# Altium PCB MC3.PcbDoc (part 2 of 4) (continued)
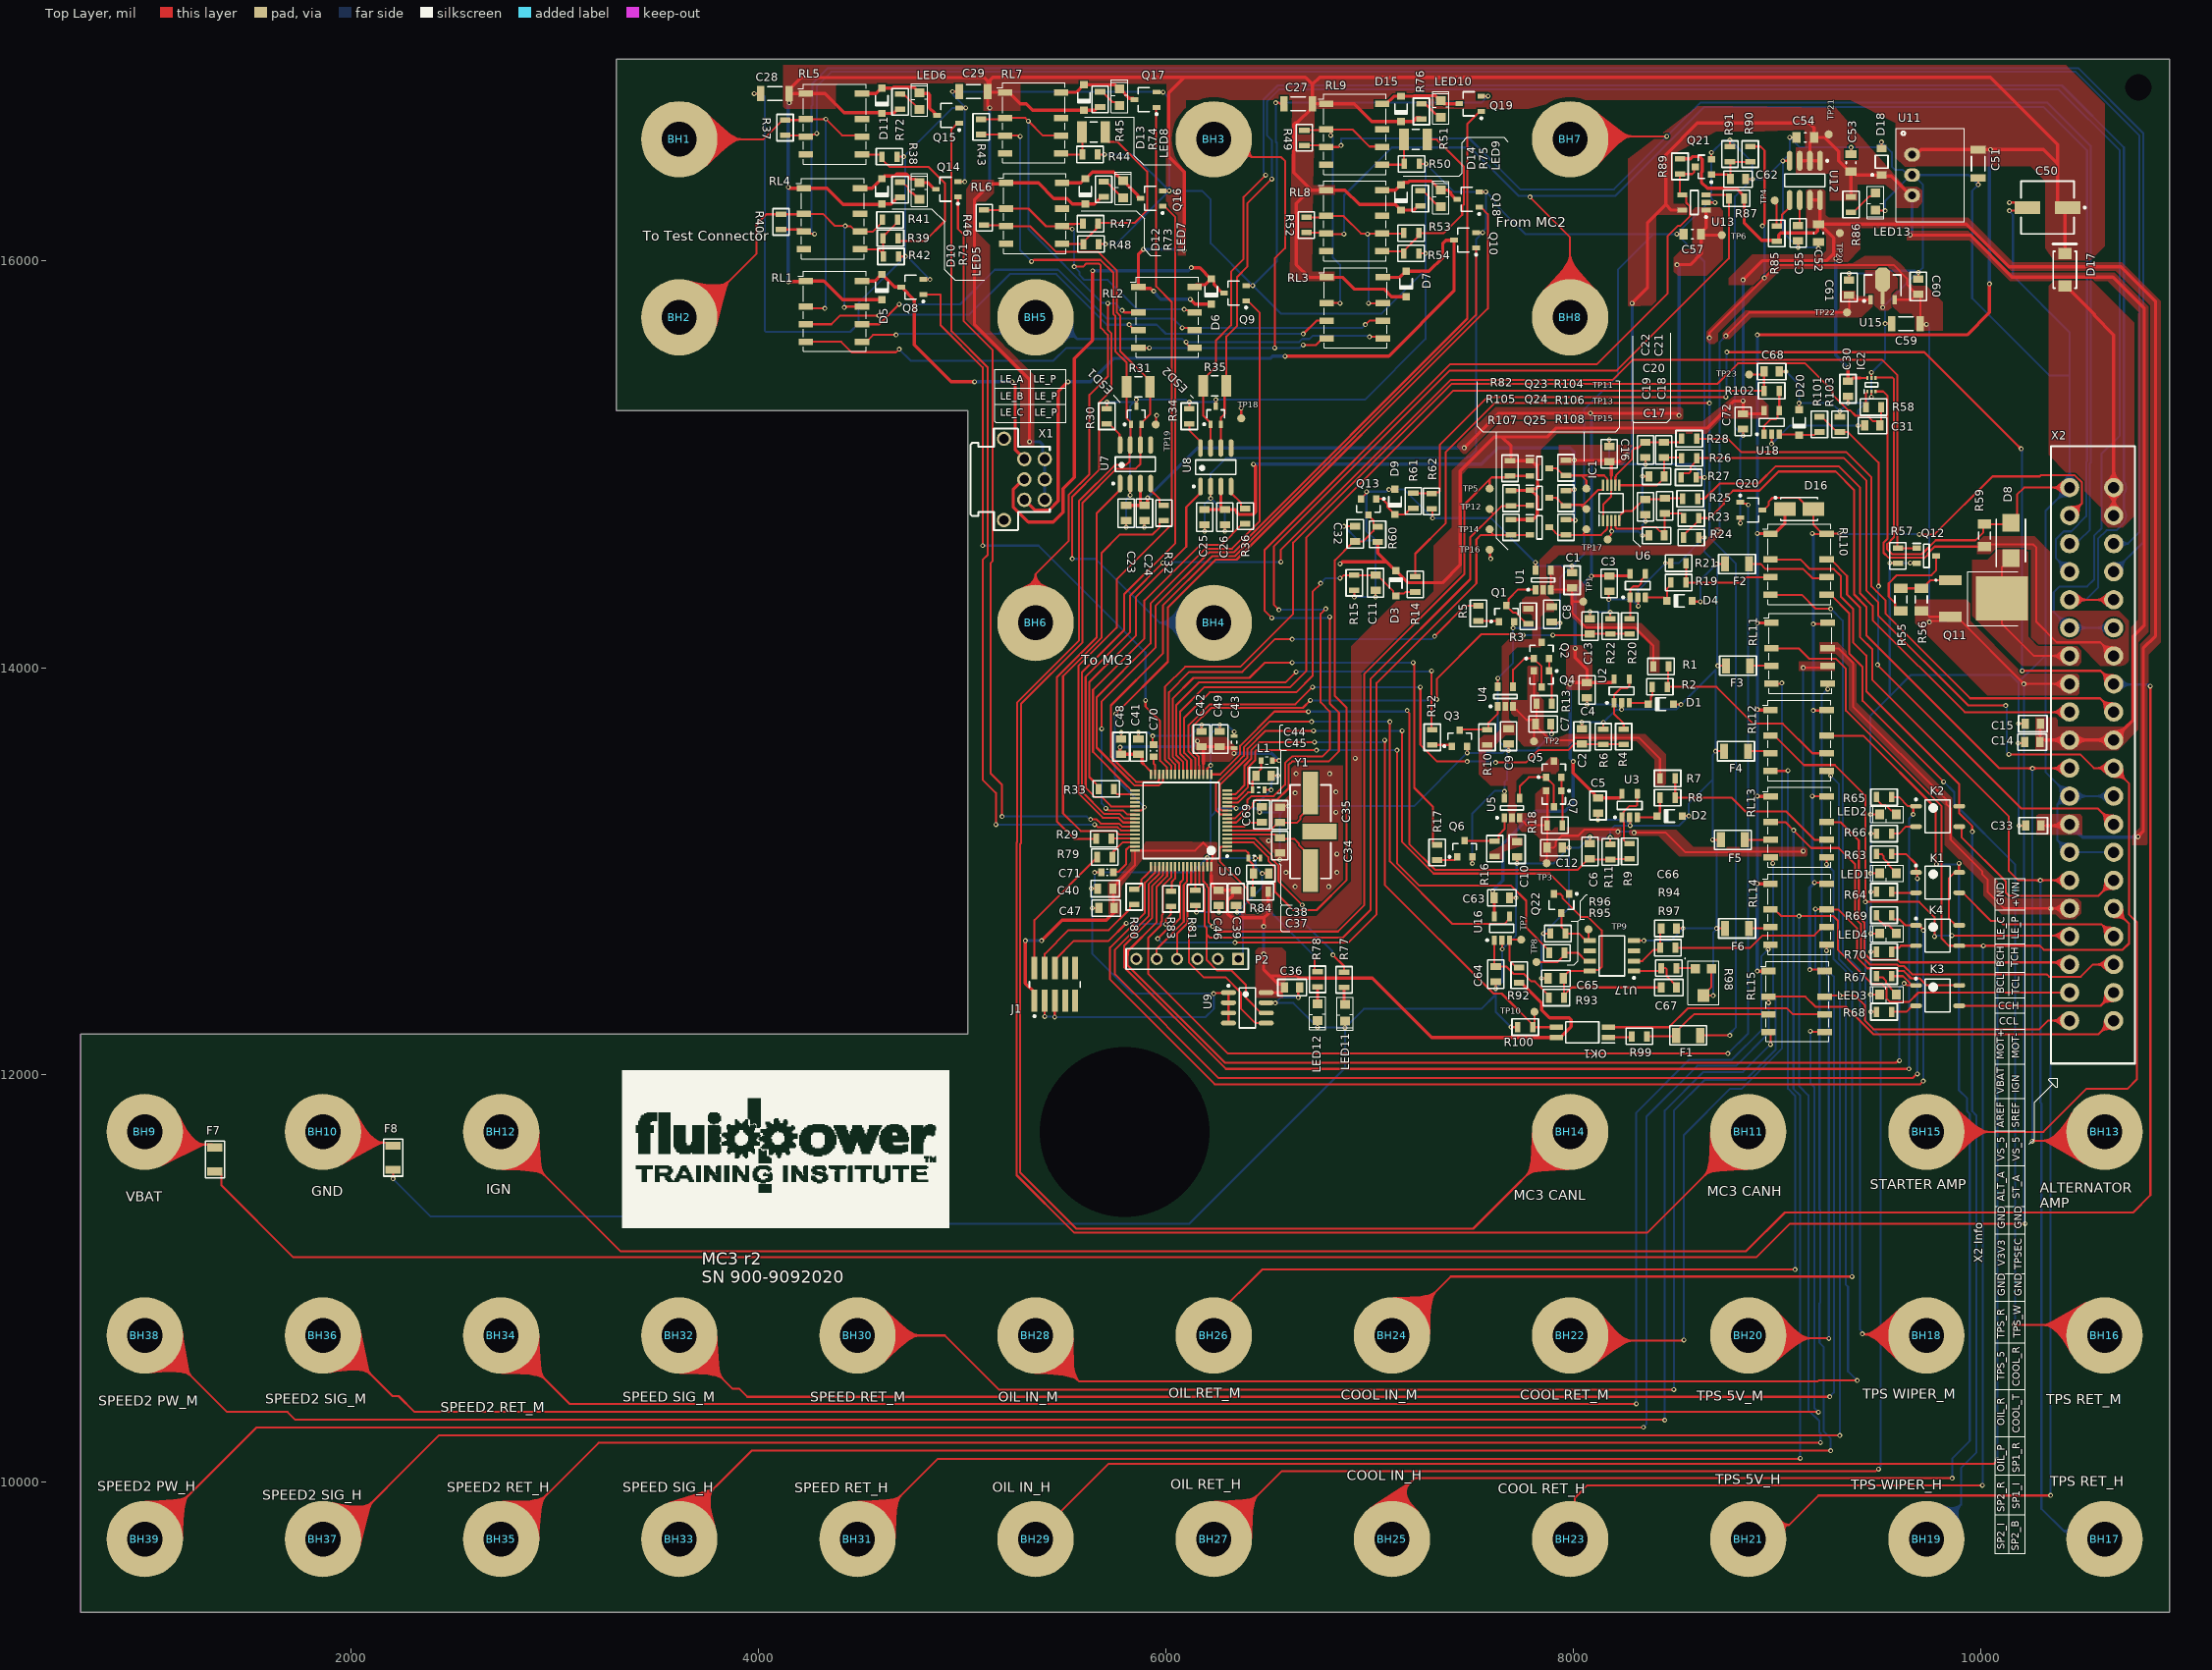
[diagram p0: Top Layer view]
## Part data (continued)
TP1 TP2 TP3 TP4 TP5 TP6 TP7 TP8 TP9 TP10 TP11 TP12 TP13 TP14 TP15 TP16 TP17 TP18 TP19 TP20 TP21 TP22 TP23: library part TestPoint_SMD_1x1, "SMD Test Point"
U1 U4 U5: "ANALOG DEVICES - ADR395AUJZ-REEL7 - VOLTAGE REF, SERIES, 5V, TSOT-5", Case/Package=TSOT, Manufacturer="Analog Devices", Max Input Voltage=18V, Max Operating Temperature=125°C, Max Output Current=5mA, Max Output Voltage=5V, Min Operating Temperature=-40°C, Operating Supply Current=120uA, Supplier Part Number 1=584-ADR395AUJZ-R7, Temperature Coefficient=25ppm/°C, Tolerance=0.12%, Category="Voltage References", ComponentLink1Description=https://datasheet.ciiva.com/2008/adr391-392-395-2008665.pdf?src-supplier=Digi-Key, ComponentLink1URL=https://datasheet.ciiva.com/2008/adr391-392-395-2008665.pdf?src-supplier=Digi-Key, ComponentLink2Description=https://datasheet.ciiva.com/3237/adr391-392-395-3237061.pdf?src-supplier=Avnet, ComponentLink2URL=https://datasheet.ciiva.com/3237/adr391-392-395-3237061.pdf?src-supplier=Avnet, ComponentLink3Description=https://datasheet.ciiva.com/17218/adr391-392-395-17218677.pdf?src-supplier=Avnet+Europe, ComponentLink3URL=https://datasheet.ciiva.com/17218/adr391-392-395-17218677.pdf?src-supplier=Avnet+Europe, ComponentLink4Description=https://datasheet.ciiva.com/2008/adr391-392-395-2008663.pdf?src-supplier=Digi-Key, ComponentLink4URL=https://datasheet.ciiva.com/2008/adr391-392-395-2008663.pdf?src-supplier=Digi-Key, ComponentLink5Description=https://datasheet.ciiva.com/2008/adr391-392-395-2008664.pdf?src-supplier=Digi-Key, ComponentLink5URL=https://datasheet.ciiva.com/2008/adr391-392-395-2008664.pdf?src-supplier=Digi-Key, Lead Free="Contains Lead", Manufacturer Part Number=ADR395AUJZ-REEL7, Min Output Voltage=5V, Number of Pins=5, Output Current=5mA, Output Type=Fixed, Output Voltage=5V, Packaging="Tape and Reel", Pricing 1="1=2.26000, 10=2.03000, 25=1.92000, 100=1.54000, 250=1.34000, 500=1.30000 (USD)", Radiation Hardening=No, REACH SVHC="No SVHC", Reference Type=Series, Reference Voltage=5V, RoHS=Yes, Stock 1=4513, Supplier 1=Mouser
U2 U3 U6 U18: "Op Amp Single Low Power Amplifier R-R I/O ±2.75V/5.5V Automotive 5-Pin SOT-23 T/R", Case/Package=SOT-23-5, Input Bias Current=5pA, Input Offset Voltage (Vos)=500uV, Manufacturer="Texas Instruments", Max Operating Temperature=125°C, Min Operating Temperature=-40°C, Operating Supply Current=400uA, Output Current per Channel=50mA, Supplier Part Number 1=595-OPA316QDBVRQ1, Category="Amplifiers - Op Amps, Buffer, Instrumentation", ComponentLink1Description=http://www.ti.com/lit/ds/symlink/opa316-q1.pdf?src-supplier=Digi-Key, ComponentLink1URL=http://www.ti.com/lit/ds/symlink/opa316-q1.pdf?src-supplier=Digi-Key, Gain Bandwidth Product=10MHz, Manufacturer Part Number=OPA316QDBVRQ1, Mount="Surface Mount", Number of Channels=1, Number of Circuits=1, Packaging="Tape and Reel", Pricing 1="1=1.37000, 10=1.16000, 100=0.89100, 250=0.78700, 500=0.74600, 1000=0.58000 (USD)", RoHS=No, Slew Rate=6V/µs, Stock 1=4457, Supplier 1=Mouser
U7 U8: "IC TRANSCEIVER CAN HI-SPD 8-SOIC", Case/Package=SOIC, Manufacturer=Microchip, Max Operating Temperature=85°C, Max Supply Current=75mA, Max Supply Voltage=5.5V, Min Operating Temperature=-40°C, Min Supply Voltage=4.5V, Operating Supply Voltage=5V, Package Quantity=100, Supplier Part Number 1=579-MCP2551-I/SN, Category="Interface ICs", ComponentLink1Description=https://datasheet.ciiva.com/8084/jp011797-8084592.pdf?src-supplier=Avnet, ComponentLink1URL=https://datasheet.ciiva.com/8084/jp011797-8084592.pdf?src-supplier=Avnet, ComponentLink2Description=https://datasheet.ciiva.com/27056/2040583-27056423.pdf?src-supplier=Jameco, ComponentLink2URL=https://datasheet.ciiva.com/27056/2040583-27056423.pdf?src-supplier=Jameco, ComponentLink3Description=https://datasheet.ciiva.com/1495/21667f-1495089.pdf?src-supplier=Element14, ComponentLink3URL=https://datasheet.ciiva.com/1495/21667f-1495089.pdf?src-supplier=Element14, ComponentLink4Description=https://datasheet.ciiva.com/1700/21667f-1700023.pdf?src-supplier=Digi-Key, ComponentLink4URL=https://datasheet.ciiva.com/1700/21667f-1700023.pdf?src-supplier=Digi-Key, ComponentLink5Description=https://datasheet.ciiva.com/14152/eb644223-644224-e-14152540.pdf?src-supplier=Distrelec, ComponentLink5URL=https://datasheet.ciiva.com/14152/eb644223-644224-e-14152540.pdf?src-supplier=Distrelec, ComponentLink6Description=https://datasheet.ciiva.com/17649/jp011797-17649039.pdf?src-supplier=Avnet+Europe, ComponentLink6URL=https://datasheet.ciiva.com/17649/jp011797-17649039.pdf?src-supplier=Avnet+Europe, Contact Plating=Tin,Matte, Data Rate=1Mbps, Height=1.25mm, Interface=CAN, Lead Free="Lead Free", Length=4.9mm, Logic Function=Transceiver, Manufacturer Part Number=MCP2551-I/SN, Mount="Surface Mount", Nominal Supply Current=75mA, Number of Drivers=1, Number of Pins=8, Number of Receive Buffers=1, Number of Receivers=1, Number of Terminals=8, Number of Transceivers=1, Number of Transmit Buffers=1, Packaging=Rail/Tube, Pricing 1="1=1.02000, 10=1.02000, 25=0.85000, 100=0.82500, 250=0.82500, 500=0.82500 (USD)", Radiation Hardening=No, REACH SVHC="No SVHC", RoHS=Yes, Slew Rate=8.5V/µs, Stock 1=27114, Supplier 1=Mouser, Width=3.9mm
U9: "MICROCHIP - 24LC256-I/SN - EEPROM, 256 Kbit, 32K x 8 bit, Seriell I2C (2-Draht), 400 kHz, SOIC, 8 Pin(s)", Case/Package=SOIC, Frequency=400kHz, Manufacturer=Microchip, Max Operating Temperature=85°C, Max Supply Voltage=5.5V, Min Operating Temperature=-40°C, Min Supply Voltage=2.5V, Nominal Supply Current=3mA, Package Quantity=100, Supplier Part Number 1=579-24LC256-I/SN, Voltage=5V, Access Time=900ns, Category=EEPROM, ComponentLink1Description=https://datasheet.ciiva.com/1155/1688094-1155208.pdf?src-supplier=Element14, ComponentLink1URL=https://datasheet.ciiva.com/1155/1688094-1155208.pdf?src-supplier=Element14, ComponentLink2Description=https://datasheet.ciiva.com/1155/1688094-1155209.pdf?src-supplier=Element14, ComponentLink2URL=https://datasheet.ciiva.com/1155/1688094-1155209.pdf?src-supplier=Element14, ComponentLink3Description=https://datasheet.ciiva.com/16203/filehandler-aspxddocname-en011849-16203855.pdf?src-supplier=Future+Electronics, ComponentLink3URL=https://datasheet.ciiva.com/16203/filehandler-aspxddocname-en011849-16203855.pdf?src-supplier=Future+Electronics, ComponentLink4Description=https://datasheet.ciiva.com/29294/150247-da-01-en-eeprom-24lc256-i-sn-soic8-mcp-29294965.pdf?src-supplier=Conrad, ComponentLink4URL=https://datasheet.ciiva.com/29294/150247-da-01-en-eeprom-24lc256-i-sn-soic8-mcp-29294965.pdf?src-supplier=Conrad, Density=256Kb, Height=1.5mm, Interface=I2C,Serial,2-Wire, Lead Free="Lead Free", Length=4.9mm, Manufacturer Part Number=24LC256-I/SN, Max Frequency=400kHz, Memory Size=256Kb, Memory Type=EEPROM, Mount="Surface Mount", Number of Pins=8, Packaging=Rail/Tube, Pricing 1="1=0.81000, 10=0.81000, 25=0.78000, 100=0.76300, 250=0.76300, 500=0.76300 (USD)", Radiation Hardening=No, REACH SVHC="No SVHC", RoHS=Yes, Stock 1=4028, Supplier 1=Mouser, Width=3.9mm
U10: "ARM Cortex-M4 32-bit MCU+FPU, 210 DMIPS, 1024 kB Flash, 192 kB Internal RAM, 51 I/Os, 64-pin LQFP, -40 to 85 degC, Tray", I/Os (High Current)=51, Manufacturer=STMicroelectronics, Operating Frequency(F) (Processor speed) (MHz)=168, Supplier Part Number 1=511-STM32F405RGT6, Supply Voltage(Vcc) max (V)=3.6, Supply Voltage(Vcc) min (V)=1.8, ComponentLink1Description="Manufacturer URL", ComponentLink1URL=http://www.st.com/web/en/home.html, ComponentLink2Description=Datasheet, ComponentLink2URL=http://www.st.com/st-web-ui/static/active/en/resource/technical/document/datasheet/DM00037051.pdf, ComponentLink3Description="Package Specification", ComponentLink3URL=http://www.st.com/st-web-ui/static/active/en/resource/technical/document/datasheet/DM00037051.pdf, Core="ARM Cortex-M4", D/A Converter=2x12-bit, DatasheetVersion="Rev. 4", FLASH Size (Prog) (kB)=1024, Internal RAM Size (kB)=192, Mounting Technology="Surface Mount", PackageDescription="64-Pin Low Profile Quad Flat Package, 10 x 10 mm Body, 0.5 mm Pitch", PackageReference=LQFP64, PackageVersion="Rev. 4, 06/2013", Packing=Tray, PartNumber=STM32F405RGT6, Supplier 1=Mouser
U11: "DC DC CONVERTER 5V 5W", Case/Package=SIP, Current - Output 1=1A, Manufacturer=Recom, Max Input Voltage=42V, Max Operating Temperature=85°C, Max Output Power=5W, Max Output Voltage=5V, Min Input Voltage=8V, Min Operating Temperature=-40°C, Package Quantity=42, Supplier Part Number 1=919-R-78C5.0-1.0, Category="Board Mount Modules", ComponentLink1Description=https://datasheet.ciiva.com/2374/r-78cxx-1-0-2374149.pdf?src-supplier=Digi-Key, ComponentLink1URL=https://datasheet.ciiva.com/2374/r-78cxx-1-0-2374149.pdf?src-supplier=Digi-Key, ComponentLink2Description=https://datasheet.ciiva.com/4643/r-78cxx-1-0-1939-4643610.pdf?src-supplier=Mouser, ComponentLink2URL=https://datasheet.ciiva.com/4643/r-78cxx-1-0-1939-4643610.pdf?src-supplier=Mouser, ComponentLink3Description=https://datasheet.ciiva.com/29344/157764-da-en-01-29344428.pdf?src-supplier=Rapid+Electronics, ComponentLink3URL=https://datasheet.ciiva.com/29344/157764-da-en-01-29344428.pdf?src-supplier=Rapid+Electronics, ComponentLink4Description=https://datasheet.ciiva.com/7618/1425292-7618510.pdf?src-supplier=Element14, ComponentLink4URL=https://datasheet.ciiva.com/7618/1425292-7618510.pdf?src-supplier=Element14, Depth=11.6mm, Efficiency=93%, Features=OTP,SCP, Height=10.4mm, Lead Free="Lead Free", Length=11.6mm, Manufacturer Part Number=R-78C5.0-1.0, Max Input Voltage (DC)=42V, Max Output Current=1A, Max Power Dissipation=5W, Min Input Voltage (DC)=8V, Mount="Through Hole,PCB", Nominal Output Voltage=5V, Number of Outputs=1, Number of Pins=3, Output Current=1A, Output Power=5W, Output Voltage=5V, Packaging=Rail/Tube, Power Rating=5W, Pricing 1="1=8.81000, 10=8.68000, 25=8.28000, 50=8.28000, 100=7.48000, 250=7.34000 (USD)", REACH SVHC="No SVHC", RoHS=Yes, Stock 1=953, Supplier 1=Mouser, Voltage - Output 1=5V, Weight=2g, Width=8.5mm
U12: "IC REG LINEAR 3.3V 500MA 8SOIC", Case/Package=SOIC, Dropout Voltage=210mV, Input Bias Current=120uA, Manufacturer=Microchip, Max Input Voltage=6V, Max Operating Temperature=125°C, Max Output Current=500mA, Min Input Voltage=2.3V, Min Operating Temperature=-40°C, Min Output Voltage=3.3V, Output Voltage Accuracy=2%, Package Quantity=100, Quiescent Current=220uA, Supplier Part Number 1=579-MCP1725-3302E/SN, Accuracy=2%, Category="Voltage Regulators - Linear", ComponentLink1Description=https://datasheet.ciiva.com/23604/22026a-23604365.pdf?src-supplier=Newark, ComponentLink1URL=https://datasheet.ciiva.com/23604/22026a-23604365.pdf?src-supplier=Newark, ComponentLink2Description=https://datasheet.ciiva.com/8041/808903-8041399.pdf?src-supplier=Element14, ComponentLink2URL=https://datasheet.ciiva.com/8041/808903-8041399.pdf?src-supplier=Element14, ComponentLink3Description=https://datasheet.ciiva.com/16293/filehandler-aspxddocname-en520352-16293417.pdf?src-supplier=Future+Electronics, ComponentLink3URL=https://datasheet.ciiva.com/16293/filehandler-aspxddocname-en520352-16293417.pdf?src-supplier=Future+Electronics, ComponentLink4Description=https://datasheet.ciiva.com/15200/getdatasheetpartid-571495-15200267.pdf?src-supplier=Verical, ComponentLink4URL=https://datasheet.ciiva.com/15200/getdatasheetpartid-571495-15200267.pdf?src-supplier=Verical, ComponentLink5Description=https://datasheet.ciiva.com/2040/22026b-2040972.pdf?src-supplier=Digi-Key, ComponentLink5URL=https://datasheet.ciiva.com/2040/22026b-2040972.pdf?src-supplier=Digi-Key, ComponentLink6Description=https://datasheet.ciiva.com/8239/jp520352-8239277.pdf?src-supplier=Avnet, ComponentLink6URL=https://datasheet.ciiva.com/8239/jp520352-8239277.pdf?src-supplier=Avnet, ComponentLink7Description=https://datasheet.ciiva.com/14150/mcp1725-eng-tds-14150077.pdf?src-supplier=Distrelec, ComponentLink7URL=https://datasheet.ciiva.com/14150/mcp1725-eng-tds-14150077.pdf?src-supplier=Distrelec, Height=1.25mm, Lead Free="Lead Free", Length=4.9mm, Manufacturer Part Number=MCP1725-3302E/SN, Mount="Surface Mount", Nominal Output Voltage=3.3V, Nominal Supply Current=120uA, Number of Outputs=1, Number of Pins=8, Output Current=500mA, Output Type=Fixed, Output Voltage=3.3V, Packaging=Rail/Tube, Polarity=Positive, Pricing 1="1=0.51000, 10=0.51000, 25=0.43000, 100=0.39000, 250=0.39000, 500=0.39000 (USD)", Radiation Hardening=No, REACH SVHC="No SVHC", RoHS=Yes, Sensing Method=Resistive, Stock 1=1446, Supplier 1=Mouser, Width=3.9mm
U13 U16: "IC PWR SWITCH 1CH 500MA SOT23-5", Case/Package=SOT-23-5, Current=500mA, Manufacturer=STMicroelectronics, Max Input Voltage=5.5V, Max Operating Temperature=85°C, Max Power Dissipation=32.5mW, Max Supply Current=40uA, Min Input Voltage=2.7V, Min Operating Temperature=-40°C, On-State Resistance=120mR, Output Current=0pA, Package Quantity=3000, Supplier Part Number 1=511-STMPS2141STR, Category="Hot Swap Controllers", ComponentLink1Description=https://datasheet.ciiva.com/15108/getdatasheetpartid-160072-15108990.pdf?src-supplier=Verical, ComponentLink1URL=https://datasheet.ciiva.com/15108/getdatasheetpartid-160072-15108990.pdf?src-supplier=Verical, ComponentLink2Description=https://datasheet.ciiva.com/4923/cd00167470-4923447.pdf?src-supplier=Mouser, ComponentLink2URL=https://datasheet.ciiva.com/4923/cd00167470-4923447.pdf?src-supplier=Mouser, ComponentLink3Description=https://datasheet.ciiva.com/1962/cd00167470-1962472.pdf?src-supplier=Digi-Key, ComponentLink3URL=https://datasheet.ciiva.com/1962/cd00167470-1962472.pdf?src-supplier=Digi-Key, ComponentLink4Description=https://datasheet.ciiva.com/1962/cd00167470-1962473.pdf?src-supplier=Digi-Key, ComponentLink4URL=https://datasheet.ciiva.com/1962/cd00167470-1962473.pdf?src-supplier=Digi-Key, ComponentLink5Description=https://datasheet.ciiva.com/1962/cd00167470-1962474.pdf?src-supplier=Digi-Key, ComponentLink5URL=https://datasheet.ciiva.com/1962/cd00167470-1962474.pdf?src-supplier=Digi-Key, ComponentLink6Description=https://datasheet.ciiva.com/16491/cd00167470-16491245.pdf?src-supplier=Future+Electronics, ComponentLink6URL=https://datasheet.ciiva.com/16491/cd00167470-16491245.pdf?src-supplier=Future+Electronics, Current Rating=500mA, Fault Protection="Over Temperature,Reverse Current", Height=1.3mm, Interface=On/Off, Lead Free="Lead Free", Length=3mm, Manufacturer Part Number=STMPS2141STR, Max Output Current=500mA, Mount="Surface Mount", Nominal Supply Current=40uA, Number of Inputs=1, Number of Outputs=1, Number of Pins=5, Operating Supply Voltage=5.5V, Output Configuration="High Side", Packaging="Tape and Reel", Power Dissipation=32.5mW, Pricing 1="1=0.58000, 10=0.48800, 100=0.29800, 1000=0.23000, 3000=0.19600, 9000=0.18300 (USD)", Radiation Hardening=No, RoHS=Yes, Stock 1=7375, Supplier 1=Mouser, Turn-Off Delay Time=10ms, Turn-On Delay Time=5ms, Voltage=5.5V, Width=1.75mm
U15: "STMICROELECTRONICS         L78L08ABUTR             Fixed Linear Voltage Regulator, 7808, 3-Terminal, Positive, 14V To 30V In, 8V And 0.1A Out, SOT-89-3", Case/Package=SOT-89, Dropout Voltage=1.7V, Manufacturer=STMicroelectronics, Max Input Voltage=30V, Max Operating Temperature=125°C, Max Output Current=100mA, Max Output Voltage=8V, Min Input Voltage=10V, Min Operating Temperature=-40°C, Min Supply Voltage=10.5V, Package Quantity=1, Power Supply Rejection Ratio (PSRR)=45dB, Quiescent Current=6mA, Supplier Part Number 1=511-L78L08ABU, Category="Voltage Regulators - Linear", ComponentLink1Description=https://datasheet.ciiva.com/2042/cd00000446-2042016.pdf?src-supplier=Digi-Key, ComponentLink1URL=https://datasheet.ciiva.com/2042/cd00000446-2042016.pdf?src-supplier=Digi-Key, ComponentLink2Description=https://datasheet.ciiva.com/2042/cd00000446-2042017.pdf?src-supplier=Digi-Key, ComponentLink2URL=https://datasheet.ciiva.com/2042/cd00000446-2042017.pdf?src-supplier=Digi-Key, ComponentLink3Description=https://datasheet.ciiva.com/3224/cd00000446-3224981.pdf?src-supplier=Avnet, ComponentLink3URL=https://datasheet.ciiva.com/3224/cd00000446-3224981.pdf?src-supplier=Avnet, ComponentLink4Description=https://datasheet.ciiva.com/1511/1868798-1511944.pdf?src-supplier=Element14, ComponentLink4URL=https://datasheet.ciiva.com/1511/1868798-1511944.pdf?src-supplier=Element14, ComponentLink5Description=https://datasheet.ciiva.com/22710/1897877-22710941.pdf?src-supplier=Element14, ComponentLink5URL=https://datasheet.ciiva.com/22710/1897877-22710941.pdf?src-supplier=Element14, ComponentLink6Description=https://datasheet.ciiva.com/16393/cd00000446-16393710.pdf?src-supplier=Future+Electronics, ComponentLink6URL=https://datasheet.ciiva.com/16393/cd00000446-16393710.pdf?src-supplier=Future+Electronics, ComponentLink7Description=https://datasheet.ciiva.com/2042/cd00000446-2042015.pdf?src-supplier=Digi-Key, ComponentLink7URL=https://datasheet.ciiva.com/2042/cd00000446-2042015.pdf?src-supplier=Digi-Key, ComponentLink8Description=https://datasheet.ciiva.com/41439/001184636-da-01-en-ic-reg-ldo-8v-0-l78l08abutr-sot-89-3-stm-41439739.pdf?src-supplier=Conrad, ComponentLink8URL=https://datasheet.ciiva.com/41439/001184636-da-01-en-ic-reg-ldo-8v-0-l78l08abutr-sot-89-3-stm-41439739.pdf?src-supplier=Conrad, Height=1.6mm, Lead Free="Lead Free", Length=4.6mm, Manufacturer Part Number=L78L08ABUTR, Max Supply Voltage=30V, Min Output Voltage=8V, Mount="Surface Mount", Nominal Output Voltage=8V, Number of Outputs=1, Number of Pins=3, Number of Regulators=1, Output Current=100mA, Output Type=Fixed, Output Voltage=8V, Packaging="Tape and Reel", Polarity=Positive, Pricing 1="1=0.44000, 10=0.35400, 100=0.21200, 1000=0.15600, 2500=0.13600, 10000=0.12900 (USD)", Radiation Hardening=No, REACH SVHC="No SVHC", RoHS=Yes, Stock 1=5535, Supplier 1=Mouser, Termination=SMD/SMT, Weight=0.004603oz, Width=2.6mm
U17: "ON SEMICONDUCTOR - NCV1124DR2G - Variable Reluctance Sensor, 4.5 V-5.5 V supply, SOIC-8", Case/Package=SOIC, Input Bias Current=11uA, Manufacturer="ON Semiconductor", Max Operating Temperature=125°C, Max Supply Voltage=5.5V, Min Operating Temperature=-40°C, Min Supply Voltage=4.5V, Nominal Supply Current=5mA, Operating Supply Voltage=5V, Output Current=1.6mA, Output Voltage=5.3V, Package Quantity=1, Supplier Part Number 1=863-NCV1124DR2G, Category="Interface ICs", ComponentLink1Description=https://datasheet.ciiva.com/4781/ncv112420data20sheet-113730-4781808.pdf?src-supplier=Mouser, ComponentLink1URL=https://datasheet.ciiva.com/4781/ncv112420data20sheet-113730-4781808.pdf?src-supplier=Mouser, ComponentLink2Description=https://datasheet.ciiva.com/15098/getdatasheetpartid-304827-15098896.pdf?src-supplier=Verical, ComponentLink2URL=https://datasheet.ciiva.com/15098/getdatasheetpartid-304827-15098896.pdf?src-supplier=Verical, ComponentLink3Description=https://datasheet.ciiva.com/3276/ncv112420data20sheet-3276691.pdf?src-supplier=Avnet, ComponentLink3URL=https://datasheet.ciiva.com/3276/ncv112420data20sheet-3276691.pdf?src-supplier=Avnet, ComponentLink4Description=https://datasheet.ciiva.com/6633/ncv1124-data-sheet-6633306.pdf?src-supplier=Digi-Key, ComponentLink4URL=https://datasheet.ciiva.com/6633/ncv1124-data-sheet-6633306.pdf?src-supplier=Digi-Key, ComponentLink5Description=https://datasheet.ciiva.com/6633/ncv1124-data-sheet-6633308.pdf?src-supplier=Digi-Key, ComponentLink5URL=https://datasheet.ciiva.com/6633/ncv1124-data-sheet-6633308.pdf?src-supplier=Digi-Key, ComponentLink6Description=https://datasheet.ciiva.com/16220/ncv1124datasheet-16220093.pdf?src-supplier=Future+Electronics, ComponentLink6URL=https://datasheet.ciiva.com/16220/ncv1124datasheet-16220093.pdf?src-supplier=Future+Electronics, Contact Plating=Tin,Matte, Halogen Free="Halogen Free", Interface=Serial,Parallel, Lead Free="Lead Free", Manufacturer Part Number=NCV1124DR2G, Number of Pins=8, Operating Supply Current=5mA, Packaging="Tape and Reel", Pricing 1="1=2.26000, 10=1.92000, 100=1.34000, 500=1.30000, 1000=1.06000, 2500=1.00000, 5000=0.96200, 25000=0.93300 (USD)", Radiation Hardening=No, REACH SVHC="No SVHC", RoHS=Yes, Stock 1=2109, Supplier 1=Mouser